# Altium PCB ECU_FEST24_Rev1.PcbDoc (part 1 of 3) (continued)
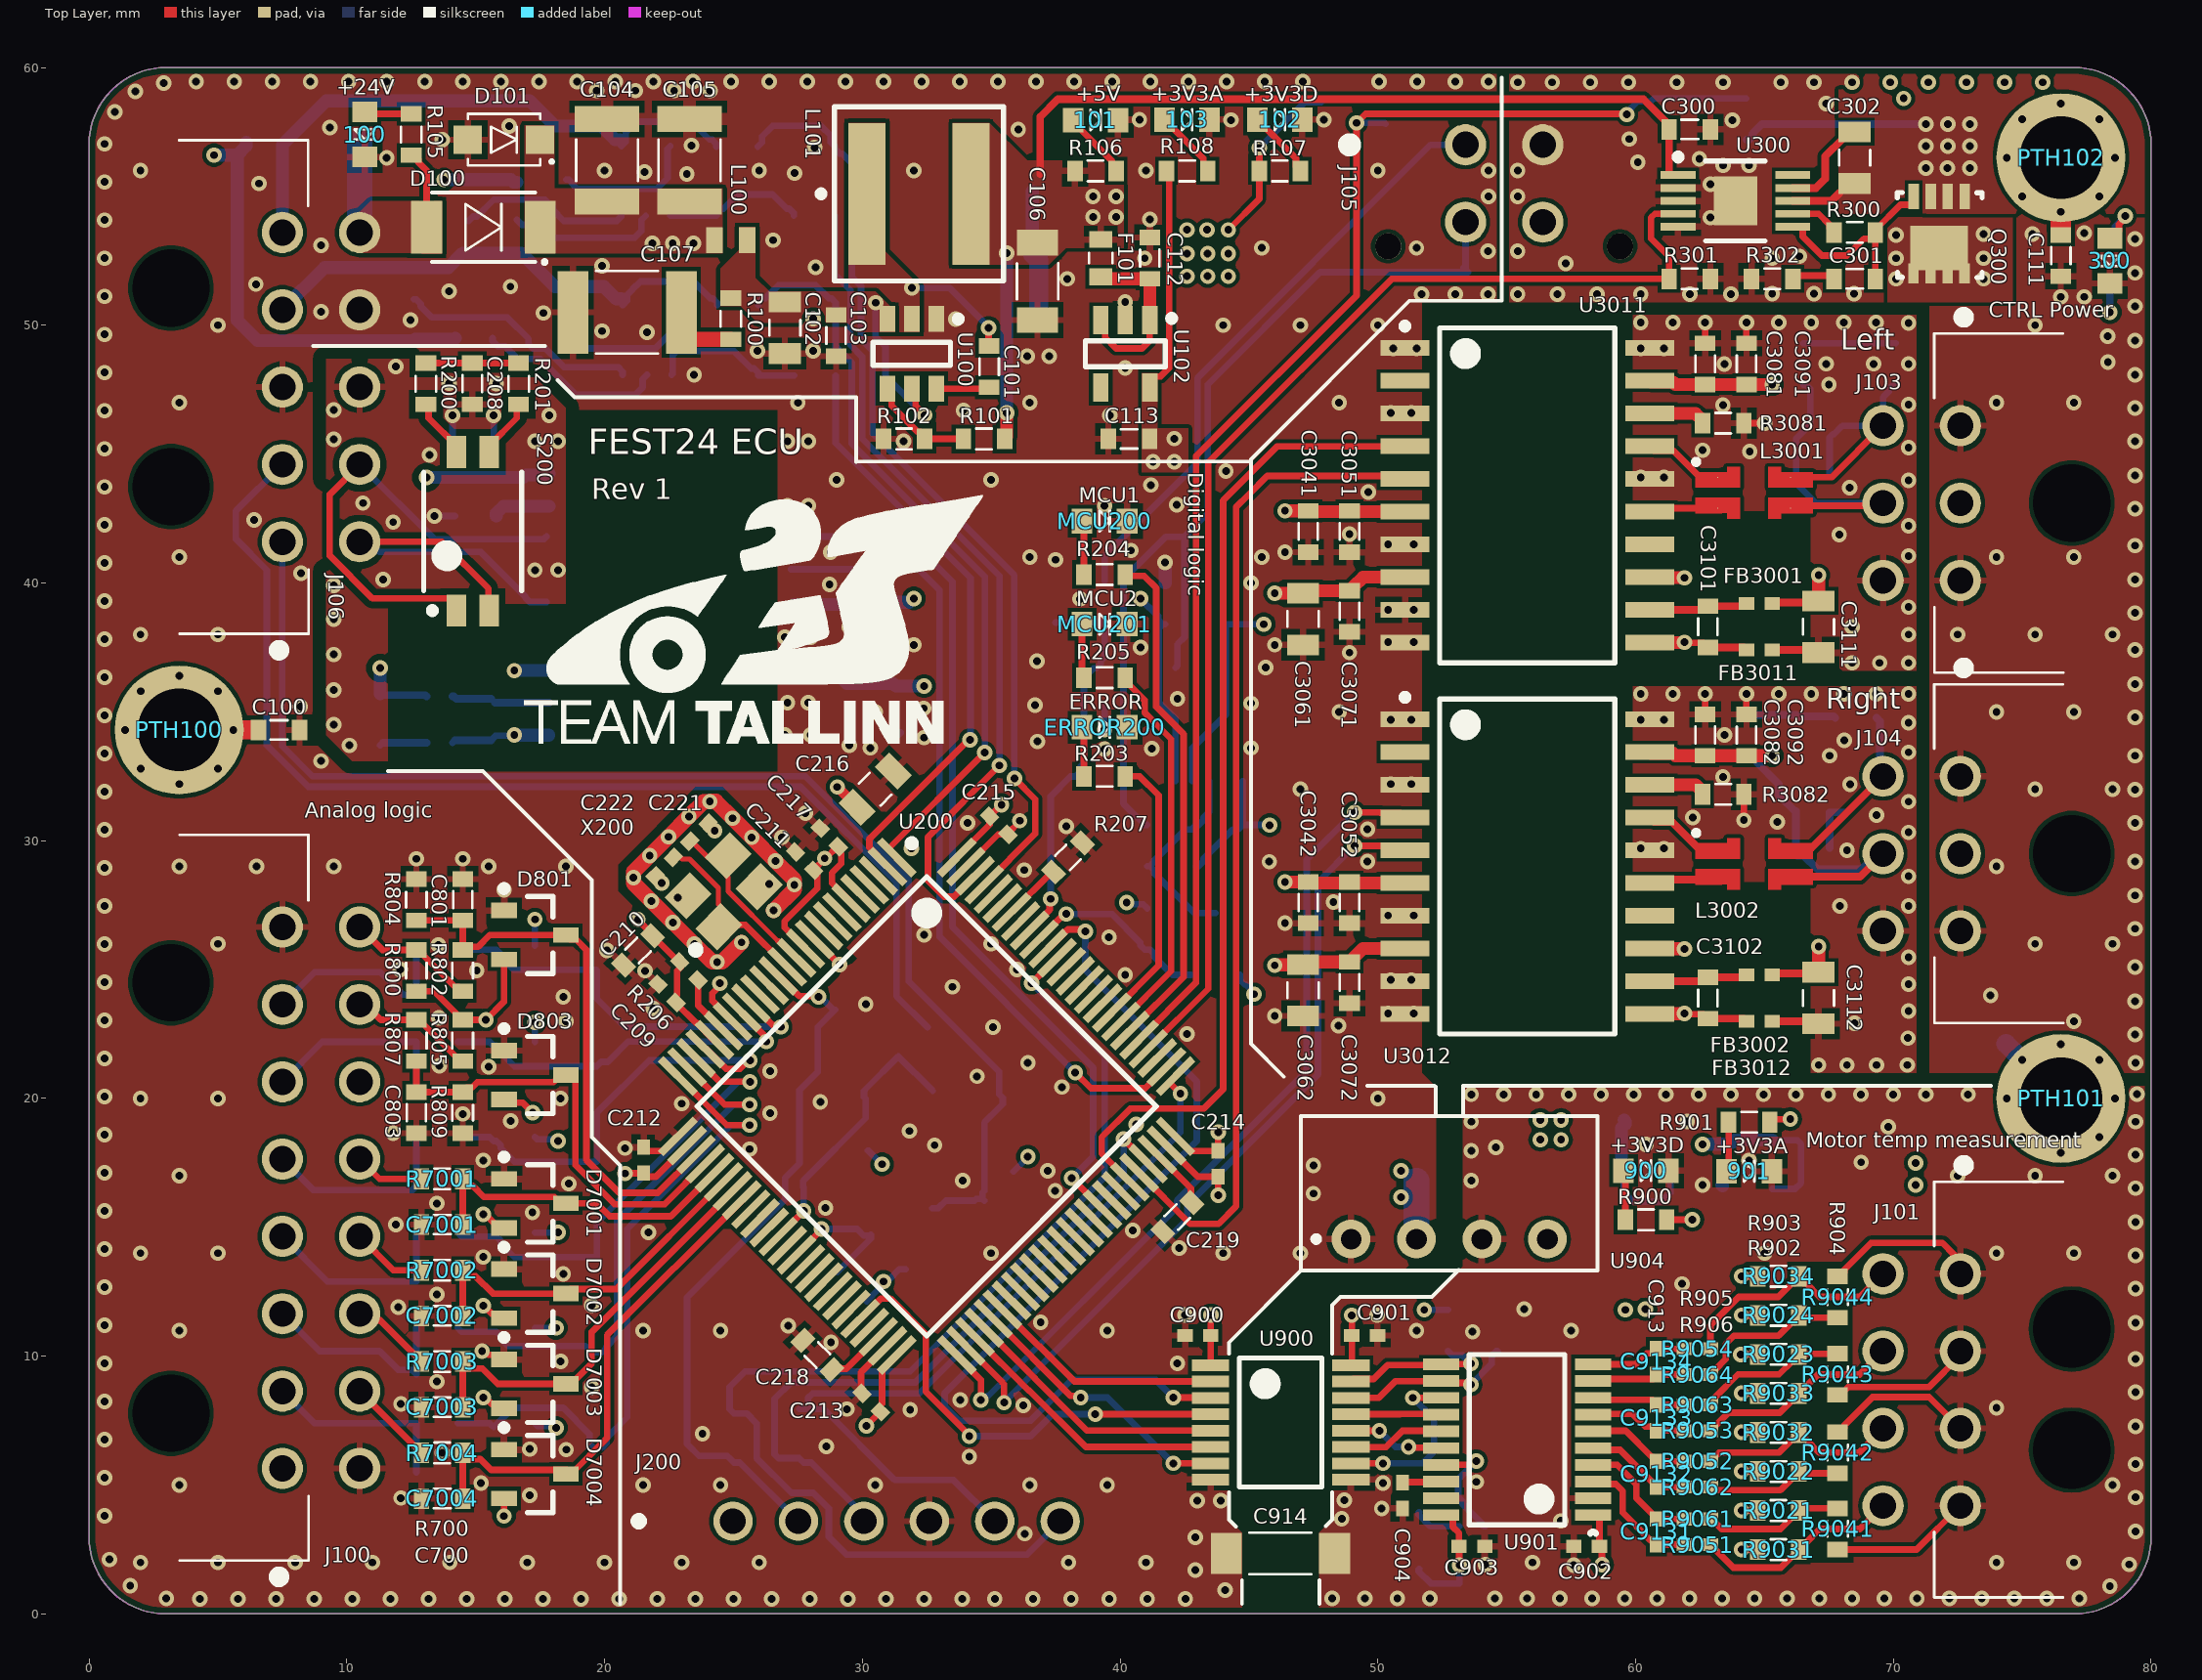
[diagram p0: Top Layer view]
## Components (designator, comment, footprint, x,y, rotation, side; value= is the part's Value field where it differs from the comment) (continued)
C912 "4,7uF, 25V, 0805" "CAP [0805] 2012" 55.58,16.789 r0 bottom
C914 "2,2nF, 50V, 1806" "CAP [1806] 4516" 46.225,2.35 r0 top
C3041 "0,1uF, 16V, 0603" "CAP [0603] 1608" 47.3,42 r270 top (schematic designator C304)
C3042 "0,1uF, 16V, 0603" "CAP [0603] 1608" 47.3,27.6 r270 top (schematic designator C304)
C3051 "0,01uF, 16V, 0603" "CAP [0603] 1608" 48.9,42 r270 top (schematic designator C305)
C3052 "0,01uF, 16V, 0603" "CAP [0603] 1608" 48.9,27.6 r270 top (schematic designator C305)
C3061 "10uF, 16V, 0805" "CAP [0805] 2012" 47.1,38.6 r270 top (schematic designator C306)
C3062 "10uF, 16V, 0805" "CAP [0805] 2012" 47.1,24.2 r270 top (schematic designator C306)
C3071 "0,1uF, 16V, 0603" "CAP [0603] 1608" 48.9,38.9 r270 top (schematic designator C307)
C3072 "0,1uF, 16V, 0603" "CAP [0603] 1608" 48.9,24.5 r270 top (schematic designator C307)
C3081 "0,01uF, 16V, 0603" "CAP [0603] 1608" 62.7,48.5 r90 top (schematic designator C308)
C3082 "0,01uF, 16V, 0603" "CAP [0603] 1608" 62.7,34.1 r90 top (schematic designator C308)
C3091 "0,1uF, 16V, 0603" "CAP [0603] 1608" 64.3,48.5 r90 top (schematic designator C309)
C3092 "0,1uF, 16V, 0603" "CAP [0603] 1608" 64.3,34.1 r90 top (schematic designator C309)
C3101 "0,1uF, 16V, 0603" "CAP [0603] 1608" 62.8,38.3 r270 top (schematic designator C310)
C3102 "0,1uF, 16V, 0603" "CAP [0603] 1608" 62.8,23.9 r270 top (schematic designator C310)
C3111 "10uF, 16V, 0805" "CAP [0805] 2012" 67.1,38.3 r270 top (schematic designator C311)
C3112 "10uF, 16V, 0805" "CAP [0805] 2012" 67.1,23.9 r270 top (schematic designator C311)
C3121 "100pF, 50V, 0402" "CAP [0402] 1005" 67.525,46.1 r90 bottom (schematic designator C312)
C3122 "100pF, 50V, 0402" "CAP [0402] 1005" 67.525,31.6 r90 bottom (schematic designator C312)
C3131 "100pF, 50V, 0402" "CAP [0402] 1005" 66.225,46.1 r270 bottom (schematic designator C313)
C3132 "100pF, 50V, 0402" "CAP [0402] 1005" 66.225,31.6 r270 bottom (schematic designator C313)
C3141 "4,7nF, 16V, 0603" "CAP [0603] 1608" 68.3,48.5 r270 bottom (schematic designator C314)
C3142 "4,7nF, 16V, 0603" "CAP [0603] 1608" 66.246,34.08 r270 bottom (schematic designator C314)
C6001 "2,2uF, 16V, 0603" "CAP [0603] 1608" 15.7,24.976 r270 bottom (schematic designator C600)
C6002 "2,2uF, 16V, 0603" "CAP [0603] 1608" 15.7,21.25 r270 bottom (schematic designator C600)
C6003 "2,2uF, 16V, 0603" "CAP [0603] 1608" 15.7,17.55 r270 bottom (schematic designator C600)
C6004 "2,2uF, 16V, 0603" "CAP [0603] 1608" 15.7,13.85 r270 bottom (schematic designator C600)
C6005 "2,2uF, 16V, 0603" "CAP [0603] 1608" 15.7,10.15 r270 bottom (schematic designator C600)
C6006 "2,2uF, 16V, 0603" "CAP [0603] 1608" 15.7,6.45 r270 bottom (schematic designator C600)
C7001 "3,3uF, 16V, 0603" "CAP [0603] 1608" 13.7,15.109 r180 top (schematic designator C700)
C7002 "3,3uF, 16V, 0603" "CAP [0603] 1608" 13.7,11.566 r180 top (schematic designator C700)
C7003 "3,3uF, 16V, 0603" "CAP [0603] 1608" 13.7,8.023 r180 top (schematic designator C700)
C7004 "3,3uF, 16V, 0603" "CAP [0603] 1608" 13.7,4.48 r180 top (schematic designator C700)
C9131 "1uF, 16V, 0402" "CAP [0402] 1005" 60.8,3.188 r90 top (schematic designator C913)
C9132 "1uF, 16V, 0402" "CAP [0402] 1005" 60.8,5.423 r270 top (schematic designator C913)
C9133 "1uF, 16V, 0402" "CAP [0402] 1005" 60.8,7.613 r90 top (schematic designator C913)
C9134 "1uF, 16V, 0402" "CAP [0402] 1005" 60.8,9.788 r270 top (schematic designator C913)
D100 "30Vbr, 3A, 375mVf" SOD-128 15.3,53.8 r180 top
D101 "24Vbr" SOD-123W 16.1,57.2 r180 top
D102 "30Vbr, 3A, 375mVf" SOD-128 8.3,57.1 r0 bottom
D200 "PESD3V3S4UD,115" SOT23-6 26.2,7 r180 bottom
D300 "30Vbr, 3A, 160mVf" SOD-128 66.2,52.9 r180 bottom
D301 "24Vbr" SOD-128 74.9,49.3 r0 bottom
D302 "BAS70-04-QR" SOT23-3 49.1,57.809 r0 bottom
D500 "DESD5V0U1BA-7" SOD-323 54.9,52.061 r0 bottom
D501 "DESD5V0U1BA-7" SOD-323 34.319,18.651 r225 bottom
D800 "BAS70-04-QR" SOT23-3 28.7,17.8 r225 bottom
D801 "BAS70-04-QR" SOT23-3 17.3,26.344 r0 top
D802 "BAS70-04-QR" SOT23-3 38.45,34.065 r270 bottom
D803 "BAS70-04-QR" SOT23-3 17.3,20.91 r0 top
D3031 "ESDCAN05-2BWY" SOT323/SC70-3 66.875,43 r270 bottom (schematic designator D303)
D3032 "ESDCAN05-2BWY" SOT323/SC70-3 66.875,28.6 r270 bottom (schematic designator D303)
D4001 "24Vbr" SOD-123W 16.668,57.731 r180 bottom (schematic designator D400)
D4002 "24Vbr" SOD-123W 16.668,51.5 r180 bottom (schematic designator D400)
D6001 "BAS70-04-QR" SOT23-3 18.5,24.976 r0 bottom (schematic designator D600)
D6002 "BAS70-04-QR" SOT23-3 18.5,21.25 r0 bottom (schematic designator D600)
D6003 "BAS70-04-QR" SOT23-3 18.5,17.55 r0 bottom (schematic designator D600)
D6004 "BAS70-04-QR" SOT23-3 18.5,13.85 r0 bottom (schematic designator D600)
D6005 "BAS70-04-QR" SOT23-3 18.5,10.15 r0 bottom (schematic designator D600)
D6006 "BAS70-04-QR" SOT23-3 18.5,6.45 r0 bottom (schematic designator D600)
D7001 "BAS70-04-QR" SOT23-3 17.3,15.93 r0 top (schematic designator D700)
D7002 "BAS70-04-QR" SOT23-3 17.3,12.43 r0 top (schematic designator D700)
D7003 "BAS70-04-QR" SOT23-3 17.3,8.93 r0 top (schematic designator D700)
D7004 "BAS70-04-QR" SOT23-3 17.3,5.43 r0 top (schematic designator D700)
ERROR200 "SMLE13EC8TT86" "LED [0603] 1608" 39.4,34.4 r180 top
F100 "SF-0603HI050F-2" "FUSE [0603] 1608" 37.324,55.2 r180 bottom
F101 "T0603FF0200TM" "FUSE [0603] 1608" 39.251,52.604 r90 top
F300 "2306, 24V, 6A" "FUSE [1206] 3216" 61.3,53.8 r90 bottom
F4001 "T0603FF0200TM" "FUSE [0603] 1608" 16.593,54.825 r90 bottom (schematic designator F400)
F4002 "T0603FF0200TM" "FUSE [0603] 1608" 14.934,49.5 r180 bottom (schematic designator F400)
FB100 "742792653" "IND [0603] 1608" 54.9,58.581 r180 bottom
FB200 "BLM15HD182SN1D" "IND [0402] 1005" 13.6,35.6 r180 bottom
FB201 "BLM15HD182SN1D" "IND [0402] 1005" 13.6,33.8 r180 bottom
FB3001 "BLM15HD182SN1D" "IND [0402] 1005" 64.8,39.2 r0 top (schematic designator FB300)
FB3002 "BLM15HD182SN1D" "IND [0402] 1005" 64.8,24.8 r0 top (schematic designator FB300)
FB3011 "BLM15HD182SN1D" "IND [0402] 1005" 64.8,37.4 r0 top (schematic designator FB301)
FB3012 "BLM15HD182SN1D" "IND [0402] 1005" 64.8,23 r0 top (schematic designator FB301)
J100 "430451601" 430451601 7.5,26.65 r270 top
J101 "430450801" 430450801 72.6,4.2 r90 top
J103 "430450601" 430450601 72.6,40.1 r90 top
J104 "430450601" 430450601 72.6,26.5 r90 top
J105 "430450413" 430450413 56.4,57 r180 top
J106 "430451001" 430451001 7.5,53.6 r270 top
J200 "901361206" 901361206 31.33,3.6 r180 top
L100 "680nH, 1.4A" PFL1609-681MEW-Footprint-1 24.9,53.3 r0 top
L101 "4,7uH, 10,5A" FP-XAL6060-472MEC-MFG 32.2,55.1 r0 top
L3001 "ACT1210-220-2P-TL00" "1210 Choke/ 2x0603 RES" 64.6,43.5 r0 top (schematic designator L300)
L3002 "ACT1210-220-2P-TL00" "1210 Choke/ 2x0603 RES" 64.6,29.1 r0 top (schematic designator L300)
MCU200 "SMLE13EC8TT86" "LED [0603] 1608" 39.4,42.4 r180 top
MCU201 "SMLE13EC8TT86" "LED [0603] 1608" 39.4,38.4 r180 top
PTH100 "M3 PTH" "M3 PTH" 3.5,34.3 r90 top
PTH101 "M3 PTH" "M3 PTH" 76.5,20 r0 top
PTH102 "M3 PTH" "M3 PTH" 76.5,56.5 r0 top
Q300 "SISS76LDN-T1-GE3" "PowerPAK 1212-8S" 71.8,53.5 r270 top
Q500 "0.8Vth, 30Vds, 5A" SOT23-3 43.7,26 r90 bottom
Q501 "0.8Vth, 30Vds, 5A" SOT23-3 31.861,14.9 r45 bottom
Q4001 "DMG6602SVTQ-7" SOT23-6 21.6,55.6 r90 bottom (schematic designator Q400)
Q4002 "DMG6602SVTQ-7" SOT23-6 21.65,49.425 r90 bottom (schematic designator Q400)
R100 "100mR, 0603" "RES [0603] 1608" 24.9,50.25 r270 top
R101 "162k, 0603" "RES [0603] 1608" 34.721,45.592 r180 top
R102 "22,1k, 0603" "RES [0603] 1608" 31.621,45.592 r180 top
R105 "100k, 100mW, 0603" "RES [0603] 1608" 12.5,57.4 r270 top
R106 "10k, 100mW, 0603" "RES [0603] 1608" 39.05,55.985 r180 top
R107 "1k, 100mW, 0603" "RES [0603] 1608" 46.2,55.985 r180 top
R108 "1k, 100mW, 0603" "RES [0603] 1608" 42.6,55.985 r180 top
R200 "60,4R, 0603" "RES [0603] 1608" 13.07,47.732 r270 top
R201 "60,4R, 0603" "RES [0603] 1608" 16.67,47.732 r270 top
R202 "0R, 0603" "RES [0603] 1608" 15,42.6 r0 bottom
R203 "1k, 0603" "RES [0603] 1608" 39.4,32.5 r0 top
R204 "1k, 0603" "RES [0603] 1608" 39.4,40.325 r0 top
R205 "1k, 0603" "RES [0603] 1608" 39.4,36.325 r0 top
R206 "47R, 0402" "RES [0402] 1005" 23.272,24.951 r135 top
R207 "1k, 0603" "RES [0603] 1608" 37.98,29.352 r225 top
R300 "220K, 0603" "RES [0603] 1608" 68.5,53.6 r0 top
R301 "10k, 0603" "RES [0603] 1608" 62.1,51.8 r0 top
R302 "10R, 0603" "RES [0603] 1608" 65.3,51.8 r0 top
R303 "100k, 0603" "RES [0603] 1608" 78.4,52.5 r270 bottom
R304 "100k, 0603" "RES [0603] 1608" 64.3,58 r270 bottom
R305 "15k, 0603" "RES [0603] 1608" 62.5,58 r90 bottom
R500 "0R, 0603" "RES [0603] 1608" 41.057,29.815 r90 bottom
R501 "1k, 0603" "RES [0603] 1608" 41.057,26.578 r90 bottom
R502 "1k, 0603" "RES [0603] 1608" 42.957,29.815 r270 bottom
R503 "1k, 0603" "RES [0603] 1608" 35.3,16.6 r45 bottom
R504 "1k, 0603" "RES [0603] 1608" 29.6,12.7 r315 bottom
R800 "0603" "RES [0603] 1608" 12.7,24.963 r270 top
R801 "100k, 0603" "RES [0603] 1608" 31.964,22.2 r225 bottom
R802 "0603" "RES [0603] 1608" 14.5,24.963 r270 top
R803 "15k, 0603" "RES [0603] 1608" 33.3,20.861 r225 bottom
R804 "0603" "RES [0603] 1608" 12.7,27.713 r270 top
R805 "0603" "RES [0603] 1608" 14.5,22.249 r90 top
R806 "5.6k, 0603" "RES [0603] 1608" 39.4,39.265 r270 bottom
R807 "0603" "RES [0603] 1608" 12.7,22.249 r90 top
R808 "10k, 0603" "RES [0603] 1608" 37.5,39.265 r270 bottom
R809 "0603" "RES [0603] 1608" 14.5,19.449 r90 top
R900 "10k, 0603" "RES [0603] 1608" 60.402,15.297 r0 top
R901 "10k, 0603" "RES [0603] 1608" 64.408,19.079 r0 top
R907 "10R, 0402" "RES [0402] 1005" 53.66,3.398 r0 bottom
R908 "10k, 0603" "RES [0603] 1608" 54.65,11 r90 bottom
R909 "0R, 0603" "RES [0603] 1608" 52.723,11 r270 bottom
R3081 "0R, 0603" "RES [0603] 1608" 63.4,46.2 r180 top (schematic designator R308)
R3082 "0R, 0603" "RES [0603] 1608" 63.4,31.8 r180 top (schematic designator R308)
R3101 "60,4R, 0603" "RES [0603] 1608" 70.1,48.5 r270 bottom (schematic designator R310)
R3102 "60,4R, 0603" "RES [0603] 1608" 68.546,34.765 r0 bottom (schematic designator R310)
R3111 "60,4R, 0603" "RES [0603] 1608" 66.5,48.501 r270 bottom (schematic designator R311)
R3112 "60,4R, 0603" "RES [0603] 1608" 64.446,34.08 r270 bottom (schematic designator R311)
R4001 "10k, 0603" "RES [0603] 1608" 14.725,54.85 r90 bottom (schematic designator R400)
R4002 "10k, 0603" "RES [0603] 1608" 12.6,50.203 r270 bottom (schematic designator R400)
R4011 "10k, 0603" "RES [0603] 1608" 18.518,54.85 r270 bottom (schematic designator R401)
R4012 "10k, 0603" "RES [0603] 1608" 17.85,49.375 r180 bottom (schematic designator R401)
R4021 "100k, 0603" "RES [0603] 1608" 25.141,56.931 r180 bottom (schematic designator R402)
R4022 "100k, 0603" "RES [0603] 1608" 25.168,50.775 r180 bottom (schematic designator R402)
R4031 "330R, 0603" "RES [0603] 1608" 28.141,54.25 r0 bottom (schematic designator R403)
R4032 "330R, 0603" "RES [0603] 1608" 28.168,48.048 r0 bottom (schematic designator R403)
R4041 "10k, 0603" "RES [0603] 1608" 25.141,54.25 r180 bottom (schematic designator R404)
R4042 "10k, 0603" "RES [0603] 1608" 25.168,48.048 r0 bottom (schematic designator R404)
R4051 "15k, 0603" "RES [0603] 1608" 28.141,56.931 r0 bottom (schematic designator R405)
R4052 "15k, 0603" "RES [0603] 1608" 28.168,50.775 r0 bottom (schematic designator R405)
R6001 "1k, 0603, 0.1%" "RES [0603] 1608" 13.5,25.926 r180 bottom (schematic designator R600)
R6002 "1k, 0603, 0.1%" "RES [0603] 1608" 13.5,22.2 r180 bottom (schematic designator R600)
R6003 "1k, 0603, 0.1%" "RES [0603] 1608" 13.5,18.5 r180 bottom (schematic designator R600)
R6004 "1k, 0603, 0.1%" "RES [0603] 1608" 13.5,14.8 r180 bottom (schematic designator R600)
R6005 "1k, 0603, 0.1%" "RES [0603] 1608" 13.5,11.1 r180 bottom (schematic designator R600)
R6006 "1k, 0603, 0.1%" "RES [0603] 1608" 13.5,7.4 r180 bottom (schematic designator R600)
R6011 "10k, 0603, 0.1%" "RES [0603] 1608" 13.5,24.026 r0 bottom (schematic designator R601)
R6012 "10k, 0603, 0.1%" "RES [0603] 1608" 13.5,20.3 r0 bottom (schematic designator R601)
R6013 "10k, 0603, 0.1%" "RES [0603] 1608" 13.5,16.6 r0 bottom (schematic designator R601)
R6014 "10k, 0603, 0.1%" "RES [0603] 1608" 13.5,12.9 r0 bottom (schematic designator R601)
R6015 "10k, 0603, 0.1%" "RES [0603] 1608" 13.5,9.2 r0 bottom (schematic designator R601)
R6016 "10k, 0603, 0.1%" "RES [0603] 1608" 13.5,5.5 r0 bottom (schematic designator R601)
R7001 "680R, 0603, 0.1%" "RES [0603] 1608" 13.7,16.88 r180 top (schematic designator R700)
R7002 "680R, 0603, 0.1%" "RES [0603] 1608" 13.7,13.337 r180 top (schematic designator R700)
R7003 "680R, 0603, 0.1%" "RES [0603] 1608" 13.7,9.794 r180 top (schematic designator R700)
R7004 "680R, 0603, 0.1%" "RES [0603] 1608" 13.7,6.252 r180 top (schematic designator R700)
R9021 "1k, 0,1%, 0603" "RES [0603] 1608" 65.537,4.014 r0 top (schematic designator R902)
R9022 "1k, 0,1%, 0603" "RES [0603] 1608" 65.537,5.529 r0 top (schematic designator R902)
R9023 "1k, 0,1%, 0603" "RES [0603] 1608" 65.537,10.071 r0 top (schematic designator R902)
R9024 "1k, 0,1%, 0603" "RES [0603] 1608" 65.537,11.586 r0 top (schematic designator R902)
R9031 "1k, 0,1%, 0603" "RES [0603] 1608" 65.537,2.5 r0 top (schematic designator R903)
R9032 "1k, 0,1%, 0603" "RES [0603] 1608" 65.537,7.043 r0 top (schematic designator R903)
R9033 "1k, 0,1%, 0603" "RES [0603] 1608" 65.537,8.557 r0 top (schematic designator R903)
R9034 "1k, 0,1%, 0603" "RES [0603] 1608" 65.537,13.1 r0 top (schematic designator R903)
R9041 "1k, 0,1%, 0603" "RES [0603] 1608" 67.837,3.3 r270 top (schematic designator R904)
R9042 "1k, 0,1%, 0603" "RES [0603] 1608" 67.837,6.26 r90 top (schematic designator R904)
R9043 "1k, 0,1%, 0603" "RES [0603] 1608" 67.837,9.3 r270 top (schematic designator R904)
R9044 "1k, 0,1%, 0603" "RES [0603] 1608" 67.837,12.3 r90 top (schematic designator R904)
R9051 "1k, 0,1%, 0402" "RES [0402] 1005" 62.4,2.688 r0 top (schematic designator R905)
R9052 "1k, 0,1%, 0402" "RES [0402] 1005" 62.4,5.923 r0 top (schematic designator R905)
R9053 "1k, 0,1%, 0402" "RES [0402] 1005" 62.4,7.113 r0 top (schematic designator R905)
R9054 "1k, 0,1%, 0402" "RES [0402] 1005" 62.4,10.288 r0 top (schematic designator R905)
R9061 "1k, 0,1%, 0402" "RES [0402] 1005" 62.4,3.688 r0 top (schematic designator R906)
R9062 "1k, 0,1%, 0402" "RES [0402] 1005" 62.4,4.923 r0 top (schematic designator R906)
R9063 "1k, 0,1%, 0402" "RES [0402] 1005" 62.4,8.113 r0 top (schematic designator R906)
R9064 "1k, 0,1%, 0402" "RES [0402] 1005" 62.4,9.288 r0 top (schematic designator R906)
S200 "MCDHN-02F-V" MCDHN-02F-V-Footprint-1 14.885,42.005 r90 top
U100 "LMR51420YDDCR" SOT23-6 31.921,48.892 r270 top
U101 "MCP1826ST-3302E/DB" SOT223 39.144,47.45 r270 bottom
U102 "LP5907QMFX-3.3Q1" SOT23-5 40.201,48.892 r270 top
U200 "STM32F767VIT6" LQFP-100 32.5,19.7 r315 top
U201 "ADM3053BRWZ" SOIC-20 22.6,39.8 r180 bottom
U300 "LTC7004EMSE#PBF" LTC7004EMSE#PBF-Footprint-1 63.9,54.8 r0 top
U500 "LTC2644HMS-L10#PBF" MSOP-12 43.132,34.515 r270 bottom
U900 "ISO7762QDBQRQ1" SSOP-16 46.23,7.432 r0 top
U901 "ADS130B04QPWRQ1" TSSOP-20 55.4,6.762 r180 top
U902 "LP5907QMFX-3.3Q1" SOT23-5 60.402,15.839 r270 bottom
U903 "LP5907QMFX-3.3Q1" SOT23-5 66.6,17.439 r0 bottom
U904 "RO-2405S" SIP-4 48.96,14.547 r0 top
U3011 "ADM3053BRWZ" SOIC-20 55.8,43.4 r0 top (schematic designator U301)
U3012 "ADM3053BRWZ" SOIC-20 55.8,29 r0 top (schematic designator U301)
X200 "25MHz, 18pF, 3.2 x 2.5 package" "Crystal 3.2x2.5mm" 24.616,28.044 r45 top
Y900 "DSC1001CI5-008.1920" "Crystal 3.2x2.5mm" 50.75,2.85 r90 bottom

## Footprints (in the part's own frame and the unit in brackets; to place one, negate y for a bottom-side part, rotate by r counter-clockwise, add the part's x,y. Pads: shape width x height; smd on the part's side, far side on the other; paste and mask are expansions set on the pad)
"1210 Choke/ 2x0603 RES" [mil] "4-Leads, Body 2.50x3.20mm, Pitch 2.10mm, IPC Medium Density / Added capability to solder 2 0603 jumpers"
  round 1 smd: 1(-55.61,23.62) 2(-55.61,-23.62) 3(55.61,-23.62) 4(55.61,23.62)
  Top Layer region: -49.21,31.5 -49.2,31.5 -41.28,31.5 -41.28,39.31 -41.34,39.37 -21.65,39.37 -21.65,7.87 -89.57,7.87 -89.57,31.5
  Top Layer region: 49.21,-31.5 49.2,-31.5 41.28,-31.5 41.28,-39.31 41.34,-39.37 21.65,-39.37 21.65,-7.87 89.57,-7.87 89.57,-31.5
  Top Layer region: -49.21,-31.5 -49.2,-31.5 -41.28,-31.5 -41.28,-39.31 -41.34,-39.37 -21.65,-39.37 -21.65,-7.87 -89.57,-7.87 -89.57,-31.5
  Top Layer region: 49.21,31.5 49.2,31.5 41.28,31.5 41.28,39.31 41.34,39.37 21.65,39.37 21.65,7.87 89.57,7.87 89.57,31.5
  silkscreen extent -93,43 -85,51, body extent -77,-53 77,53, height 99
430450413 [mm] "Micro-Fit 3.0 Vertical Header, 3.00mm Pitch, Dual Row, 4 Circuits, with PCB Polarizing Peg"
  round 1.6 hole 1.02: 1(3,0) 2(0,0) 3(3,3) 4(0,3)
  round 1.02 hole 1.02 unplated: ""(-3,3.94) ""(6,3.94)
  silkscreen extent 7.3,-0.2 7.7,0.2, body extent -3.57,-2.44 6.57,6.33, height 9.92
430450601 [mm] "Micro-Fit 3.0 Right-Angle Header, 3.00mm Pitch, Dual Row, 6 Circuits, with Snap-in Plastic Peg PCB Lock"
  round 1.6 hole 1.02: 1(6,0) 2(3,0) 3(0,0) 4(6,3) 5(3,3) 6(0,3)
  round 1.6 hole 3 unplated: ""(3,-4.32)
  silkscreen extent -3.57,-3.99 10.41,1.02, body extent -3.58,-8.95 9.57,3.28, height 8.75
430450801 [mm] "Micro-Fit 3.0 Right-Angle Header, 3.00mm Pitch, Dual Row, 8 Circuits, with Snap-in Plastic Peg PCB Lock"
  round 1.6 hole 1.02: 1(9,0) 2(6,0) 3(3,0) 4(0,0) 5(9,3) 6(6,3) 7(3,3) 8(0,3)
  round 1.6 hole 3 unplated: ""(2.16,-4.32) ""(6.86,-4.32)
  silkscreen extent -3.56,-3.98 13.41,1.02, body extent -3.58,-8.9 12.57,3.34, height 8.75
430451001 [mm] "Micro-Fit 3.0 Right-Angle Header, 3.00mm Pitch, Dual Row, 10 Circuits, with Snap-in Plastic Peg PCB Lock"
  round 1.6 hole 1.02: 1(12,0) 2(9,0) 3(6,0) 4(3,0) 5(0,0) 6(12,3) 7(9,3) 8(6,3) 9(3,3) 10(0,3)
  round 1.6 hole 3 unplated: ""(2.16,-4.32) ""(9.86,-4.32)
  silkscreen extent -3.57,-4 16.41,1.02, body extent -3.57,-8.95 15.58,3.28, height 8.75
430451601 [mm] "Micro-Fit 3.0 Right-Angle Header, 3.00mm Pitch, Dual Row, 16 Circuits, with Snap-in Plastic Peg PCB Lock"
  round 1.6 hole 1.02: 1(21,0) 2(18,0) 3(15,0) 4(12,0) 5(9,0) 6(6,0) 7(3,0) 8(0,0) 9(21,3) 10(18,3) 11(15,3) 12(12,3) 13(9,3) 14(6,3) 15(3,3) 16(0,3)
  round 1.6 hole 3 unplated: ""(2.16,-4.32) ""(18.86,-4.32)
  silkscreen extent -3.57,-3.99 25.41,1.02, body extent -3.57,-8.91 24.58,3.32, height 8.75
901361206 [mil] "C-Grid III Header, Single Row, Vertical, Shrouded, 6 Circuits"
  round 60 hole 39.37: 1(250,0) 2(150,0) 3(50,0) 4(-50,0) 5(-150,0) 6(-250,0)
  silkscreen extent 389,-5 399,5, body extent -366,-142 366,142, height 431
"CAP [0402] 1005" [mm]
  rect 0.6x0.5 smd: 1(-0.5,0) 2(0.5,0)
  body extent -0.5,-0.25 0.5,0.25, height 0.49
"CAP [0603] 1608" [mm]
  rect 0.6x0.8 smd: 1(-0.8,0) 2(0.8,0)
  silkscreen extent -0.33,-0.38 0.33,0.38, body extent -0.93,-0.41 0.93,0.41, height 0.81
"CAP [0805] 2012" [mm]
  rect 0.8x1.25 smd: 1(-1,0) 2(1,0)
  silkscreen extent -0.3,-0.6 0.3,0.6, body extent -1.09,-0.64 1.09,0.64, height 1.26
"CAP [1206] 3216" [mm]
  rect 1x1.6 smd: 1(-1.5,0) 2(1.5,0)
  silkscreen extent -0.7,-0.8 0.7,0.8, body extent -1.75,-0.81 1.75,0.81, height 1.61
"CAP [1210] 3225" [mm]
  rect 1x2.5 smd: 1(-1.6,0) 2(1.6,0)
  silkscreen extent -0.8,-1.2 0.8,1.2, body extent -1.6,-1.25 1.6,1.25, height 0.79
"CAP [1806] 4516" [mm]
  rect 1.2x1.6 smd: 1(-2.1,0) 2(2.1,0)
  silkscreen extent -1.2,-0.8 1.2,0.8, body extent -2.43,-0.81 2.43,0.81, height 1.61
"CAP [1812] 4532" [mm]
  rect 1.2x3.2 smd: 1(-2.1,0) 2(2.1,0)
  silkscreen extent -1.2,-1.6 1.2,1.6, body extent -2.46,-1.61 2.46,1.61, height 3.21
"Crystal 3.2x2.5mm" [mm] "4-Leads, Body 2.50x3.20mm, Pitch 2.10mm, IPC Medium Density"
  rect 1.4x1.2 smd: 1(-1.1,-0.85) 2(1.1,-0.85) 3(1.1,0.85) 4(-1.1,0.85)
  silkscreen extent -2.52,-1 -2.23,-0.7, body extent -1.6,-1.25 1.6,1.25, height 0.91
FP-XAL6060-472MEC-MFG [mm]
  rect 1.43x5.5 smd paste+0 mask+0: 1(-2.02,0) 2(2.02,0)
  silkscreen extent -3.92,-3.38 3.28,3.38, body extent -3.38,-3.48 3.38,3.48, height 0.25
"FUSE [0603] 1608" [mm]
  rect 0.654x0.9 smd: 1(-0.725,0)
  rect 0.65x0.9 smd: 2(0.725,0)
  silkscreen extent -0.2,-0.45 0.2,0.45, body extent -0.85,-0.48 0.9,0.48, height 0.56
"FUSE [1206] 3216" [mm]
  rect 1x1.6 smd: 1(-1.5,0) 2(1.5,0)
  silkscreen extent -0.7,-0.8 0.7,0.8, body extent -1.6,-0.83 1.6,0.83, height 0.56
"IND [0402] 1005" [mm]
  rect 0.6x0.5 smd: 1(-0.5,0) 2(0.5,0)
  body extent -0.56,-0.26 0.56,0.26, height 0.65
"IND [0603] 1608" [mm]
  rect 0.6x0.8 smd: 1(-0.8,0) 2(0.8,0)
  body extent -0.77,-0.38 0.77,0.38, height 0.52
"LED [0603] 1608" [mm] "Chip Diode, 2-Leads, Body 1.60x0.80mm, IPC Medium Density"
  rect 0.8x0.95 smd: 1(-0.875,0) 2(0.875,0)
  silkscreen extent -0.2,-0.4 0.2,0.4, body extent -0.85,-0.45 0.85,0.45, height 0.9
LQFP-100 [mm] "LQFP, 100-Leads, Body 16,2x16,2mm (max), Pitch 0,50mm, IPC Medium Density"
  rect 1.9x0.3 smd: 1(-7.65,6) 2(-7.65,5.5) 3(-7.65,5) 4(-7.65,4.5) 5(-7.65,4) 6(-7.65,3.5) 7(-7.65,3) 8(-7.65,2.5) 9(-7.65,2) 10(-7.65,1.5) 11(-7.65,1) 12(-7.65,0.5) 13(-7.65,0) 14(-7.65,-0.5) 15(-7.65,-1) 16(-7.65,-1.5) 17(-7.65,-2) 18(-7.65,-2.5) 19(-7.65,-3) 20(-7.65,-3.5) 21(-7.65,-4) 22(-7.65,-4.5) 23(-7.65,-5) 24(-7.65,-5.5) 25(-7.65,-6) 51(7.65,-6) 52(7.65,-5.5) 53(7.65,-5) 54(7.65,-4.5) 55(7.65,-4) 56(7.65,-3.5) 57(7.65,-3) 58(7.65,-2.5) 59(7.65,-2) 60(7.65,-1.5) 61(7.65,-1) 62(7.65,-0.5) 63(7.65,0) 64(7.65,0.5) 65(7.65,1) 66(7.65,1.5) 67(7.65,2) 68(7.65,2.5) 69(7.65,3) 70(7.65,3.5) 71(7.65,4) 72(7.65,4.5) 73(7.65,5) 74(7.65,5.5) 75(7.65,6)
  rect 0.3x1.9 smd: 26(-6,-7.65) 27(-5.5,-7.65) 28(-5,-7.65) 29(-4.5,-7.65) 30(-4,-7.65) 31(-3.5,-7.65) 32(-3,-7.65) 33(-2.5,-7.65) 34(-2,-7.65) 35(-1.5,-7.65) 36(-1,-7.65) 37(-0.5,-7.65) 38(0,-7.65) 39(0.5,-7.65) 40(1,-7.65) 41(1.5,-7.65) 42(2,-7.65) 43(2.5,-7.65) 44(3,-7.65) 45(3.5,-7.65) 46(4,-7.65) 47(4.5,-7.65) 48(5,-7.65) 49(5.5,-7.65) 50(6,-7.65) 76(6,7.65) 77(5.5,7.65) 78(5,7.65) 79(4.5,7.65) 80(4,7.65) 81(3.5,7.65) 82(3,7.65) 83(2.5,7.65) 84(2,7.65) 85(1.5,7.65) 86(1,7.65) 87(0.5,7.65) 88(0,7.65) 89(-0.5,7.65) 90(-1,7.65) 91(-1.5,7.65) 92(-2,7.65) 93(-2.5,7.65) 94(-3,7.65) 95(-3.5,7.65) 96(-4,7.65) 97(-4.5,7.65) 98(-5,7.65) 99(-5.5,7.65) 100(-6,7.65)
  silkscreen extent -7.75,-6.3 6.3,6.92, body extent -8,-8 8,8, height 1.6
LTC7004EMSE#PBF-Footprint-1 [mm]
  rect 1.35x0.3 smd: 1(-2.25,1.025) 2(-2.25,0.525) 3(-2.25,0.025) 4(-2.25,-0.475) 5(-2.25,-0.975) 6(2.2,-0.975) 7(2.2,-0.475) 8(2.2,0.025) 9(2.2,0.525) 10(2.2,1.025)
  rect 1.68x1.88 smd: 11(-0.025,0.025)
  silkscreen extent -2.37,-1.52 1.12,1.85, body extent -2.47,-1.52 2.42,1.58, height 1.1
"M3 PTH" [mm] "Plated through hole for M3 bolt"
  round 0.6 hole 0.3 mask+0: 1(-2.1,0) 1(-1.5,1.5) 1(-1.5,-1.5) 1(0,2.1) 1(0,-2.1) 1(1.5,1.5) 1(1.5,-1.5) 1(2.1,0)
  round 5 hole 3.2: 1(0,0)
MCDHN-02F-V-Footprint-1 [mm]
  rect 1.25x0.76 smd: 1(-3.075,0.635) 2(-3.075,-0.635) 3(3.075,0.635) 4(3.075,-0.635)
  silkscreen extent -3.2,-1.9 2.3,1.9, body extent -3.34,-1.88 3.36,1.89, height 1.55
MSOP-12 [mm] "TSOP, 12-Leads, Body 4,04x3,00mm, Pitch 0,65mm, IPC Medium Density"
  rect 1.4x0.5 smd: 1(-2.2,1.625) 2(-2.2,0.975) 3(-2.2,0.325) 4(-2.2,-0.325) 5(-2.2,-0.975) 6(-2.2,-1.625) 7(2.2,-1.625) 8(2.2,-0.975) 9(2.2,-0.325) 10(2.2,0.325) 11(2.2,0.975) 12(2.2,1.625)
  silkscreen extent -2.32,-2 1.1,2.55, body extent -2.45,-2.02 2.45,2.02, height 1.1
PFL1609-681MEW-Footprint-1 [mm]
  rect 0.64x1.02 smd: 1(-0.635,0) 2(0.635,0)
  body extent -0.9,-0.53 0.9,0.53, height 0.99
"PowerPAK 1212-8S" [mm]
  rect 0.99x0.405 smd: 1(-1.49,0.97) 1(-1.49,-0.35) 1(-1.49,0.31) 2(-1.49,-1.01)
  rect 1.725x2.235 smd: 3(0.5,-0.03)
  rect 0.76x0.405 smd: 3(1.49,0.96) 3(1.49,-0.36) 3(1.49,0.3) 3(1.49,-1.02)
  silkscreen extent -1.65,-1.65 1.65,1.64, body extent -1.65,-1.65 1.65,1.65, height 1.04
"RES [0402] 1005" [mm] "Chip Resistor, 2-Leads, Body 1.00x0.50mm, IPC High Density"
  rect 0.6x0.5 smd: 1(-0.5,0) 2(0.5,0)
  body extent -0.5,-0.25 0.5,0.25, height 0.35
"RES [0603] 1608" [mm]
  rect 0.6x0.8 smd: 1(-0.8,0) 2(0.8,0)
  silkscreen extent -0.3,-0.4 0.3,0.4, body extent -0.8,-0.4 0.8,0.4, height 0.46
SIP-4 [mm]
  round 1.5 hole 0.8: 1(0,0) 2(2.54,0) 3(5.08,0) 4(7.62,0)
  silkscreen extent -1.94,-1.22 9.56,4.78, body extent -1.94,-1.22 9.56,4.78, height 10.01
SOD-123W [mm] "SODFL, 2-Leads, Body 1.70x3.50mm, IPC Medium Density"
  rect 1.1x1.1 smd: 1(-1.4,0) 2(1.4,0)
  silkscreen extent -1.9,-1 1.4,1, body extent -1.75,-0.95 1.75,0.95, height 1.1
SOD-128 [mm] "SODFL, 2-Leads, Body 2.70x5.00mm, IPC Medium Density"
  rect 1.2x2.05 smd: 1(-2.2,0) 2(2.2,0)
  silkscreen extent -2.42,-1.35 2,1.4, body extent -2.6,-1.35 2.6,1.35, height 1.11
SOD-323 [mm]
  rect 1x0.6 smd: 1(-1.4,0) 2(1.4,0)
  silkscreen extent -1.42,-0.67 0.87,0.67, body extent -1.3,-0.67 1.3,0.68, height 1.1
SOIC-20 [mm] "SOIC, 20-Leads, Body 12.80x7.50mm, Pitch 1.27mm, IPC Medium Density"
  rect 1.9x0.6 smd: 1(-4.75,5.715) 2(-4.75,4.445) 3(-4.75,3.175) 4(-4.75,1.905) 5(-4.75,0.635) 6(-4.75,-0.635) 7(-4.75,-1.905) 8(-4.75,-3.175) 9(-4.75,-4.445) 10(-4.75,-5.715) 11(4.75,-5.715) 12(4.75,-4.445) 13(4.75,-3.175) 14(4.75,-1.905) 15(4.75,-0.635) 16(4.75,0.635) 17(4.75,1.905) 18(4.75,3.175) 19(4.75,4.445) 20(4.75,5.715)
  silkscreen extent -4.88,-6.5 3.4,6.69, body extent -5.16,-6.5 5.16,6.5, height 2.65
SOT23-3 [mm] "SOT23, 3-Leads, Body 2.92x2.37mm, Pitch 0.95mm, IPC Medium Density"
  rect 1x0.6 smd: 1(-1.2,0.95) 2(-1.2,-0.95) 3(1.2,0)
  silkscreen extent -1.32,-1.5 0.7,1.92, body extent -1.32,-1.52 1.32,1.52, height 1.12
SOT23-5 [mm]
  rect 1.1x0.6 smd: 1(-1.3,0.95) 2(-1.3,0) 3(-1.3,-0.95) 4(1.3,-0.95) 5(1.3,0.95)
  silkscreen extent -1.5,-1.55 0.5,1.93, body extent -1.25,-1.5 1.25,1.5, height 1.05
SOT23-6 [mm] "SOT23, 6-Leads, Body 2.90x2.80mm, Pitch 0.95mm, IPC Medium Density"
  rect 1x0.6 smd: 1(-1.35,0.95) 2(-1.35,0) 3(-1.35,-0.95) 4(1.35,-0.95) 5(1.35,0) 6(1.35,0.95)
  silkscreen extent -1.48,-1.5 0.45,1.92, body extent -1.5,-1.5 1.5,1.5, height 1.45
SOT223 [mm] "SOT223, 4-Leads, Body 6.50x7.00mm (avg), Pitch 2.30mm, IPC Medium Density"
  rect 2.15x1 smd: 1(-2.925,2.3) 2(-2.925,0) 3(-2.925,-2.3)
  rect 2.15x3.25 smd: 2(2.925,0)
  silkscreen extent -1.55,-3.25 1.55,3.25, body extent -3.48,-3.25 3.48,3.25, height 1.7
SOT323/SC70-3 [mm] "SOT23, 3-Leads, Body 2,00x2,10mm, Pitch 0,65mm, IPC Medium Density"
  rect 0.9x0.4 smd: 1(-1.125,0.65) 2(-1.125,-0.65) 3(1.125,0)
  silkscreen extent -1.25,-1.1 0.67,1.52, body extent -1.2,-1.1 1.2,1.1, height 1
SSOP-16 [mm] "SOP, 16-Leads, Body 4,91x3,90mm, Pitch 0,64mm, IPC Medium Density"
  rect 1.45x0.45 smd: 1(-2.725,2.222) 2(-2.725,1.587) 3(-2.725,0.953) 4(-2.725,0.318) 5(-2.725,-0.318) 6(-2.725,-0.953) 7(-2.725,-1.587) 8(-2.725,-2.222) 9(2.725,-2.222) 10(2.725,-1.587) 11(2.725,-0.953) 12(2.725,-0.318) 13(2.725,0.318) 14(2.725,0.953) 15(2.725,1.587) 16(2.725,2.222)
  silkscreen extent -1.6,-2.5 1.6,2.5, body extent -3.01,-2.45 3.01,2.45, height 1.62
TSSOP-20 [mm] "TSOP, 20-Leads, Body 6,50x4,40mm, Pitch 0,65mm, IPC Medium Density"
  rect 1.4x0.45 smd: 1(-2.95,2.925) 2(-2.95,2.275) 3(-2.95,1.625) 4(-2.95,0.975) 5(-2.95,0.325) 6(-2.95,-0.325) 7(-2.95,-0.975) 8(-2.95,-1.625) 9(-2.95,-2.275) 10(-2.95,-2.925) 11(2.95,-2.925) 12(2.95,-2.275) 13(2.95,-1.625) 14(2.95,-0.975) 15(2.95,-0.325) 16(2.95,0.325) 17(2.95,0.975) 18(2.95,1.625) 19(2.95,2.275) 20(2.95,2.925)
  silkscreen extent -3.06,-3.3 1.85,3.63, body extent -3.2,-3.25 3.2,3.25, height 1.13